# KiCad board FrontEnd_5G.kicad_pcb (continued)
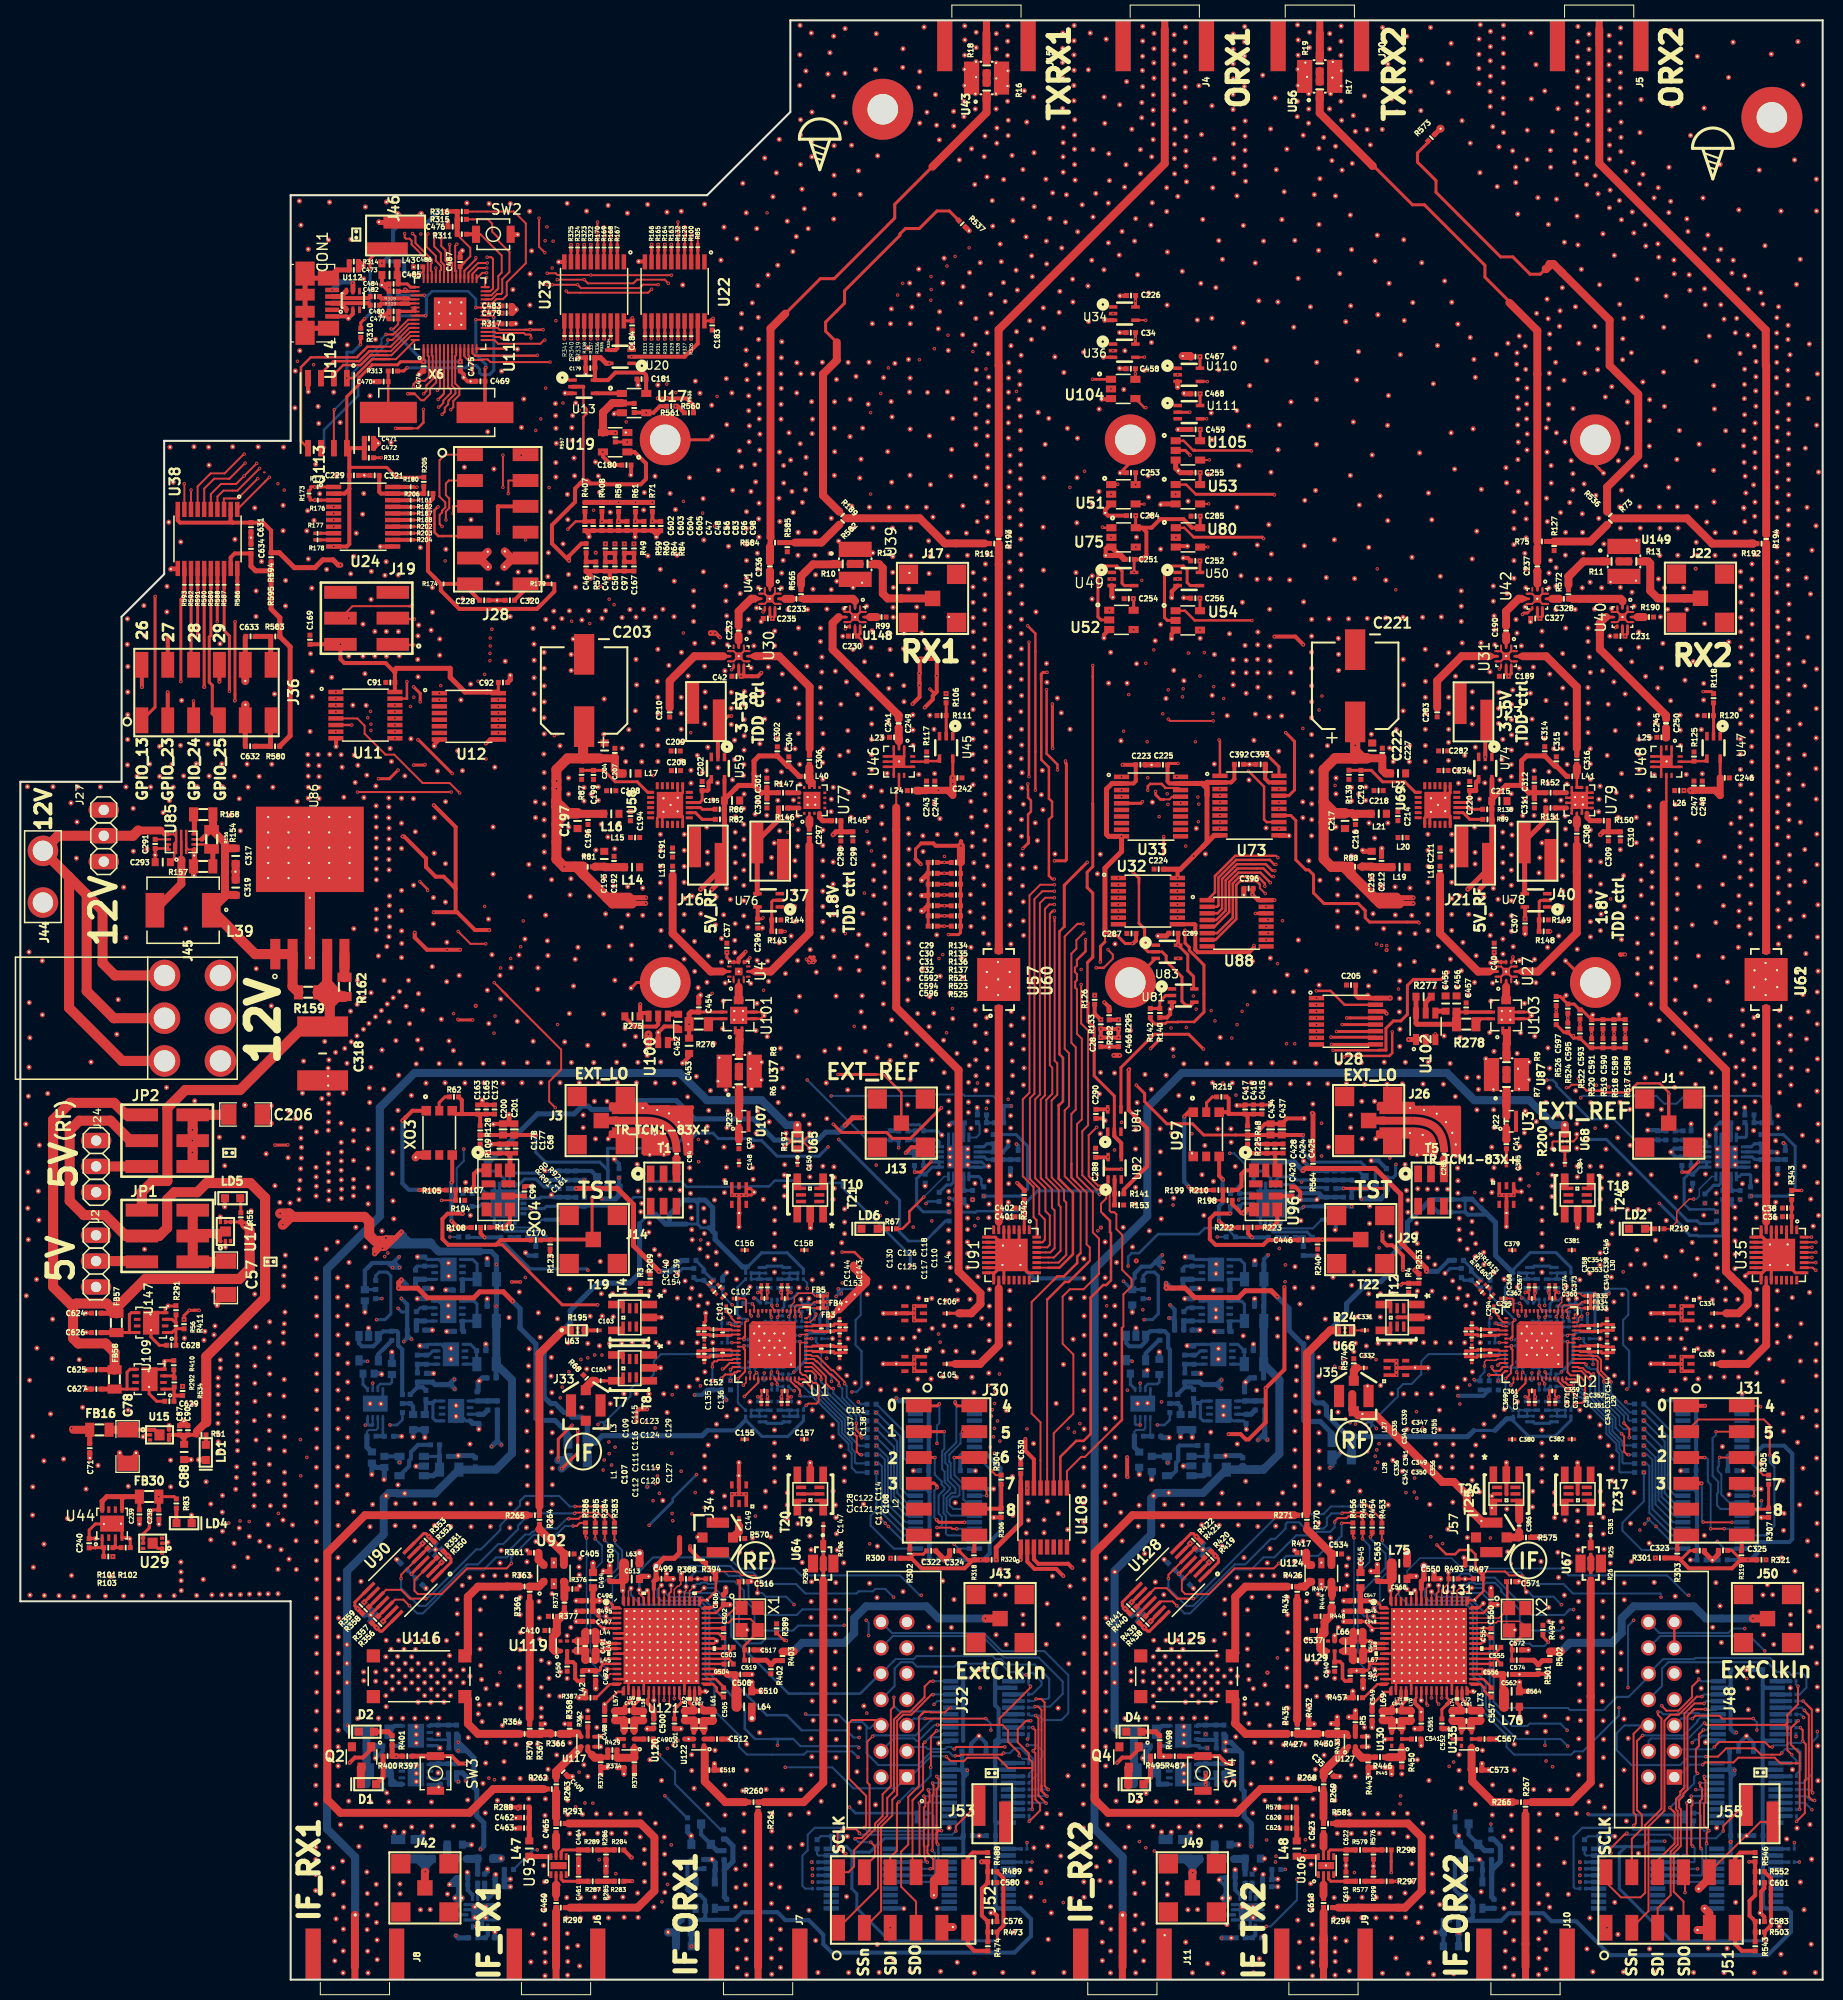
[diagram p0: board, top side]
## Nets (continued)
GND_VIA#1276. GND_VIA#1277. GND_VIA#1278. GND_VIA#1279. GND_VIA#1280. GND_VIA#1281. GND_VIA#1282. GND_VIA#1283. GND_VIA#1284. GND_VIA#1285. GND_VIA#1286. GND_VIA#1287. GND_VIA#1288. GND_VIA#1289. GND_VIA#1290. GND_VIA#1291. GND_VIA#1292. GND_VIA#1293. GND_VIA#1294. GND_VIA#1295. GND_VIA#1296. GND_VIA#1297. GND_VIA#1298. GND_VIA#1299. GND_VIA#1300. GND_VIA#1301. GND_VIA#1302. GND_VIA#1303. GND_VIA#1304. GND_VIA#1305. GND_VIA#1306. GND_VIA#1307. GND_VIA#1308. GND_VIA#1309. GND_VIA#1310. GND_VIA#1311. GND_VIA#1312. GND_VIA#1313. GND_VIA#1314. GND_VIA#1315. GND_VIA#1316. GND_VIA#1317. GND_VIA#1318. GND_VIA#1319. GND_VIA#1320. GND_VIA#1321. GND_VIA#1322. GND_VIA#1323. GND_VIA#1324. GND_VIA#1325. GND_VIA#1326. GND_VIA#1327. GND_VIA#1328. GND_VIA#1329. GND_VIA#1330. GND_VIA#1331. GND_VIA#1332. GND_VIA#1333. GND_VIA#1334. GND_VIA#1335. GND_VIA#1336. GND_VIA#1337. GND_VIA#1338. GND_VIA#1339. GND_VIA#1340. GND_VIA#1341. GND_VIA#1342. GND_VIA#1343. GND_VIA#1344. GND_VIA#1345. GND_VIA#1346. GND_VIA#1347. GND_VIA#1348. GND_VIA#1349. GND_VIA#1350. GND_VIA#1351. GND_VIA#1352. GND_VIA#1353. GND_VIA#1354. GND_VIA#1355. GND_VIA#1356. GND_VIA#1357. GND_VIA#1358. GND_VIA#1359. GND_VIA#1360. GND_VIA#1361. GND_VIA#1362. GND_VIA#1363. GND_VIA#1364. GND_VIA#1365. GND_VIA#1366. GND_VIA#1367. GND_VIA#1368. GND_VIA#1369. GND_VIA#1370. GND_VIA#1371. GND_VIA#1372. GND_VIA#1373. GND_VIA#1374. GND_VIA#1375. GND_VIA#1376. GND_VIA#1377. GND_VIA#1378. GND_VIA#1379. GND_VIA#1380. GND_VIA#1381. GND_VIA#1382. GND_VIA#1383. GND_VIA#1384. GND_VIA#1385. GND_VIA#1386. GND_VIA#1387. GND_VIA#1388. GND_VIA#1389. GND_VIA#1390. GND_VIA#1391. GND_VIA#1392. GND_VIA#1393. GND_VIA#1394. GND_VIA#1395. GND_VIA#1396. GND_VIA#1397. GND_VIA#1398. GND_VIA#1399. GND_VIA#1400. GND_VIA#1401. GND_VIA#1402. GND_VIA#1403. GND_VIA#1404. GND_VIA#1405. GND_VIA#1406. GND_VIA#1407. GND_VIA#1408. GND_VIA#1409. GND_VIA#1410. GND_VIA#1411. GND_VIA#1412. GND_VIA#1413. GND_VIA#1414. GND_VIA#1415. GND_VIA#1416. GND_VIA#1417. GND_VIA#1418. GND_VIA#1419. GND_VIA#1420. GND_VIA#1421. GND_VIA#1422. GND_VIA#1423. GND_VIA#1424. GND_VIA#1425. GND_VIA#1426. GND_VIA#1427. GND_VIA#1428. GND_VIA#1429. GND_VIA#1430. GND_VIA#1431. GND_VIA#1432. GND_VIA#1433. GND_VIA#1434. GND_VIA#1435. GND_VIA#1436. GND_VIA#1437. GND_VIA#1438. GND_VIA#1439. GND_VIA#1440. GND_VIA#1441. GND_VIA#1442. GND_VIA#1443. GND_VIA#1444. GND_VIA#1445. GND_VIA#1446. GND_VIA#1447. GND_VIA#1448. GND_VIA#1449. GND_VIA#1450. GND_VIA#1451. GND_VIA#1452. GND_VIA#1453. GND_VIA#1454. GND_VIA#1455. GND_VIA#1456. GND_VIA#1457. GND_VIA#1458. GND_VIA#1459. GND_VIA#1460. GND_VIA#1461. GND_VIA#1462. GND_VIA#1463. GND_VIA#1464. GND_VIA#1465. GND_VIA#1466. GND_VIA#1467. GND_VIA#1468. GND_VIA#1469. GND_VIA#1470. GND_VIA#1471. GND_VIA#1472. GND_VIA#1473. GND_VIA#1474. GND_VIA#1475. GND_VIA#1476. GND_VIA#1477. GND_VIA#1478. GND_VIA#1479. GND_VIA#1480. GND_VIA#1481. GND_VIA#1482. GND_VIA#1483. GND_VIA#1484. GND_VIA#1485. GND_VIA#1486. GND_VIA#1487. GND_VIA#1488. GND_VIA#1489. GND_VIA#1490. GND_VIA#1491. GND_VIA#1492. GND_VIA#1493. GND_VIA#1494. GND_VIA#1495. GND_VIA#1496. GND_VIA#1497. GND_VIA#1498. GND_VIA#1499. GND_VIA#1500. GND_VIA#1501. GND_VIA#1502. GND_VIA#1503. GND_VIA#1504. GND_VIA#1505. GND_VIA#1506. GND_VIA#1507. GND_VIA#1508. GND_VIA#1509. GND_VIA#1510. GND_VIA#1511. GND_VIA#1512. GND_VIA#1513. GND_VIA#1514. GND_VIA#1515. GND_VIA#1516. GND_VIA#1517. GND_VIA#1518. GND_VIA#1519. GND_VIA#1520. GND_VIA#1521. GND_VIA#1522. GND_VIA#1523. GND_VIA#1524. GND_VIA#1525. GND_VIA#1526. GND_VIA#1527. GND_VIA#1528. GND_VIA#1529. GND_VIA#1530. GND_VIA#1531. GND_VIA#1532. GND_VIA#1533. GND_VIA#1534. GND_VIA#1535. GND_VIA#1536. GND_VIA#1537. GND_VIA#1538. GND_VIA#1539. GND_VIA#1540. GND_VIA#1541. GND_VIA#1542. GND_VIA#1543. GND_VIA#1544. GND_VIA#1545. GND_VIA#1546. GND_VIA#1547. GND_VIA#1548. GND_VIA#1549. GND_VIA#1550. GND_VIA#1551. GND_VIA#1552. GND_VIA#1553. GND_VIA#1554. GND_VIA#1555. GND_VIA#1556. GND_VIA#1557. GND_VIA#1558. GND_VIA#1559. GND_VIA#1560. GND_VIA#1561. GND_VIA#1562. GND_VIA#1563. GND_VIA#1564. GND_VIA#1565. GND_VIA#1566. GND_VIA#1567. GND_VIA#1568. GND_VIA#1569. GND_VIA#1570. GND_VIA#1571. GND_VIA#1572. GND_VIA#1573. GND_VIA#1574. GND_VIA#1575. GND_VIA#1576. GND_VIA#1577. GND_VIA#1578. GND_VIA#1579. GND_VIA#1580. GND_VIA#1581. GND_VIA#1582. GND_VIA#1583. GND_VIA#1584. GND_VIA#1585. GND_VIA#1586. GND_VIA#1587. GND_VIA#1588. GND_VIA#1589. GND_VIA#1590. GND_VIA#1591. GND_VIA#1592. GND_VIA#1593. GND_VIA#1594. GND_VIA#1595. GND_VIA#1596. GND_VIA#1597. GND_VIA#1598. GND_VIA#1599. GND_VIA#1600. GND_VIA#1601. GND_VIA#1602. GND_VIA#1603. GND_VIA#1604. GND_VIA#1605. GND_VIA#1606. GND_VIA#1607. GND_VIA#1608. GND_VIA#1609. GND_VIA#1610. GND_VIA#1611. GND_VIA#1612. GND_VIA#1613. GND_VIA#1614. GND_VIA#1615. GND_VIA#1616. GND_VIA#1617. GND_VIA#1618. GND_VIA#1619. GND_VIA#1620. GND_VIA#1621. GND_VIA#1622. GND_VIA#1623. GND_VIA#1624. GND_VIA#1625. GND_VIA#1626. GND_VIA#1627. GND_VIA#1628. GND_VIA#1629. GND_VIA#1630. GND_VIA#1631. GND_VIA#1632. GND_VIA#1633. GND_VIA#1634. GND_VIA#1635. GND_VIA#1636. GND_VIA#1637. GND_VIA#1638. GND_VIA#1639. GND_VIA#1640. GND_VIA#1641. GND_VIA#1642. GND_VIA#1643. GND_VIA#1644. GND_VIA#1645. GND_VIA#1646. GND_VIA#1647. GND_VIA#1648. GND_VIA#1649. GND_VIA#1650. GND_VIA#1651. GND_VIA#1652. GND_VIA#1653. GND_VIA#1654. GND_VIA#1655. GND_VIA#1656. GND_VIA#1657. GND_VIA#1658. GND_VIA#1659. GND_VIA#1660. GND_VIA#1661. GND_VIA#1662. GND_VIA#1663. GND_VIA#1664. GND_VIA#1665. GND_VIA#1666. GND_VIA#1667. GND_VIA#1668. GND_VIA#1669. GND_VIA#1670. GND_VIA#1671. GND_VIA#1672. GND_VIA#1673. GND_VIA#1674. GND_VIA#1675. GND_VIA#1676. GND_VIA#1677. GND_VIA#1678. GND_VIA#1679. GND_VIA#1680. GND_VIA#1681. GND_VIA#1682. GND_VIA#1683. GND_VIA#1684. GND_VIA#1685. GND_VIA#1686. GND_VIA#1687. GND_VIA#1688. GND_VIA#1689. GND_VIA#1690. GND_VIA#1691. GND_VIA#1692. GND_VIA#1693. GND_VIA#1694. GND_VIA#1695. GND_VIA#1696. GND_VIA#1697. GND_VIA#1698. GND_VIA#1699. GND_VIA#1700. GND_VIA#1701. GND_VIA#1702. GND_VIA#1703. GND_VIA#1704. GND_VIA#1705. GND_VIA#1706. GND_VIA#1707. GND_VIA#1708. GND_VIA#1709. GND_VIA#1710. GND_VIA#1711. GND_VIA#1712. GND_VIA#1713. GND_VIA#1714. GND_VIA#1715. GND_VIA#1716. GND_VIA#1717. GND_VIA#1718. GND_VIA#1719. GND_VIA#1720. GND_VIA#1721. GND_VIA#1722. GND_VIA#1723. GND_VIA#1724. GND_VIA#1725. GND_VIA#1726. GND_VIA#1727. GND_VIA#1728. GND_VIA#1729. GND_VIA#1730. GND_VIA#1731. GND_VIA#1732. GND_VIA#1733. GND_VIA#1734. GND_VIA#1735. GND_VIA#1736. GND_VIA#1737. GND_VIA#1738. GND_VIA#1739. GND_VIA#1740. GND_VIA#1741. GND_VIA#1742. GND_VIA#1743. GND_VIA#1744. GND_VIA#1745. GND_VIA#1746. GND_VIA#1747. GND_VIA#1748. GND_VIA#1749. GND_VIA#1750. GND_VIA#1751. GND_VIA#1752. GND_VIA#1753. GND_VIA#1754. GND_VIA#1755. GND_VIA#1756. GND_VIA#1757. GND_VIA#1758. GND_VIA#1759. GND_VIA#1760. GND_VIA#1761. GND_VIA#1762. GND_VIA#1763. GND_VIA#1764. GND_VIA#1765. GND_VIA#1766. GND_VIA#1767. GND_VIA#1768. GND_VIA#1769. GND_VIA#1770. GND_VIA#1771. GND_VIA#1772. GND_VIA#1773. GND_VIA#1774. GND_VIA#1775. GND_VIA#1776. GND_VIA#1777. GND_VIA#1778. GND_VIA#1779. GND_VIA#1780. GND_VIA#1781. GND_VIA#1782. GND_VIA#1783. GND_VIA#1784. GND_VIA#1785. GND_VIA#1786. GND_VIA#1787. GND_VIA#1788. GND_VIA#1789. GND_VIA#1790. GND_VIA#1791. GND_VIA#1792. GND_VIA#1793. GND_VIA#1794. GND_VIA#1795. GND_VIA#1796. GND_VIA#1797. GND_VIA#1798. GND_VIA#1799. GND_VIA#1800. GND_VIA#1801. GND_VIA#1802. GND_VIA#1803. GND_VIA#1804. GND_VIA#1805. GND_VIA#1806. GND_VIA#1807. GND_VIA#1808. GND_VIA#1809. GND_VIA#1810. GND_VIA#1811. GND_VIA#1812. GND_VIA#1813. GND_VIA#1814. GND_VIA#1815. GND_VIA#1816. GND_VIA#1817. GND_VIA#1818. GND_VIA#1819. GND_VIA#1820. GND_VIA#1821. GND_VIA#1822. GND_VIA#1823. GND_VIA#1824. GND_VIA#1825. GND_VIA#1826. GND_VIA#1827. GND_VIA#1828. GND_VIA#1829. GND_VIA#1830. GND_VIA#1831. GND_VIA#1832. GND_VIA#1833. GND_VIA#1834. GND_VIA#1835. GND_VIA#1836. GND_VIA#1837. GND_VIA#1838. GND_VIA#1839. GND_VIA#1840. GND_VIA#1841. GND_VIA#1842. GND_VIA#1843. GND_VIA#1844. GND_VIA#1845. GND_VIA#1846. GND_VIA#1847. GND_VIA#1848. GND_VIA#1849. GND_VIA#1850. GND_VIA#1851. GND_VIA#1852. GND_VIA#1853. GND_VIA#1854. GND_VIA#1855. GND_VIA#1856. GND_VIA#1857. GND_VIA#1858. GND_VIA#1859. GND_VIA#1860. GND_VIA#1861. GND_VIA#1862. GND_VIA#1863. GND_VIA#1864. GND_VIA#1865. GND_VIA#1866. GND_VIA#1867. GND_VIA#1868. GND_VIA#1869. GND_VIA#1870. GND_VIA#1871. GND_VIA#1872. GND_VIA#1873. GND_VIA#1874. GND_VIA#1875. GND_VIA#1876. GND_VIA#1877. GND_VIA#1878. GND_VIA#1879. GND_VIA#1880. GND_VIA#1881. GND_VIA#1882. GND_VIA#1883. GND_VIA#1884. GND_VIA#1885. GND_VIA#1886. GND_VIA#1887. GND_VIA#1888. GND_VIA#1889. GND_VIA#1890. GND_VIA#1891. GND_VIA#1892. GND_VIA#1893. GND_VIA#1894. GND_VIA#1895. GND_VIA#1896. GND_VIA#1897. GND_VIA#1898. GND_VIA#1899. GND_VIA#1900. GND_VIA#1901. GND_VIA#1902. GND_VIA#1903. GND_VIA#1904. GND_VIA#1905. GND_VIA#1906. GND_VIA#1907. GND_VIA#1908. GND_VIA#1909. GND_VIA#1910. GND_VIA#1911. GND_VIA#1912. GND_VIA#1913. GND_VIA#1914. GND_VIA#1915. GND_VIA#1916. GND_VIA#1917. GND_VIA#1918. GND_VIA#1919. GND_VIA#1920. GND_VIA#1921. GND_VIA#1922. GND_VIA#1923. GND_VIA#1924. GND_VIA#1925. GND_VIA#1926. GND_VIA#1927. GND_VIA#1928. GND_VIA#1929. GND_VIA#1930. GND_VIA#1931. GND_VIA#1932. GND_VIA#1933. GND_VIA#1934. GND_VIA#1935. GND_VIA#1936. GND_VIA#1937. GND_VIA#1938. GND_VIA#1939. GND_VIA#1940. GND_VIA#1941. GND_VIA#1942. GND_VIA#1943. GND_VIA#1944. GND_VIA#1945. GND_VIA#1946. GND_VIA#1947. GND_VIA#1948. GND_VIA#1949. GND_VIA#1950. GND_VIA#1951. GND_VIA#1952. GND_VIA#1953. GND_VIA#1954. GND_VIA#1955. GND_VIA#1956. GND_VIA#1957. GND_VIA#1958. GND_VIA#1959. GND_VIA#1960. GND_VIA#1961. GND_VIA#1962. GND_VIA#1963. GND_VIA#1964. GND_VIA#1965. GND_VIA#1966. GND_VIA#1967. GND_VIA#1968. GND_VIA#1969. GND_VIA#1970. GND_VIA#1971. GND_VIA#1972. GND_VIA#1973. GND_VIA#1974. GND_VIA#1975. GND_VIA#1976. GND_VIA#1977. GND_VIA#1978. GND_VIA#1979. GND_VIA#1980. GND_VIA#1981. GND_VIA#1982. GND_VIA#1983. GND_VIA#1984. GND_VIA#1985. GND_VIA#1986. GND_VIA#1987. GND_VIA#1988. GND_VIA#1989. GND_VIA#1990. GND_VIA#1991. GND_VIA#1992. GND_VIA#1993. GND_VIA#1994. GND_VIA#1995. GND_VIA#1996. GND_VIA#1997. GND_VIA#1998. GND_VIA#1999. GND_VIA#2000. GND_VIA#2001. GND_VIA#2002. GND_VIA#2003. GND_VIA#2004. GND_VIA#2005. GND_VIA#2006. GND_VIA#2007. GND_VIA#2009. GND_VIA#2010. GND_VIA#2011. GND_VIA#2012. GND_VIA#2013. GND_VIA#2014. GND_VIA#2015. GND_VIA#2016. GND_VIA#2017. GND_VIA#2018. GND_VIA#2019. GND_VIA#2020. GND_VIA#2021. GND_VIA#2022. GND_VIA#2023. GND_VIA#2024. GND_VIA#2025. GND_VIA#2026. GND_VIA#2027. GND_VIA#2028. GND_VIA#2029. GND_VIA#2030. GND_VIA#2031. GND_VIA#2032. GND_VIA#2033. GND_VIA#2034. GND_VIA#2035. GND_VIA#2036. GND_VIA#2037. GND_VIA#2038. GND_VIA#2039. GND_VIA#2040. GND_VIA#2041. GND_VIA#2042. GND_VIA#2043. GND_VIA#2044. GND_VIA#2045. GND_VIA#2046. GND_VIA#2047. GND_VIA#2048. GND_VIA#2049. GND_VIA#2050. GND_VIA#2051. GND_VIA#2052. GND_VIA#2053. GND_VIA#2054. GND_VIA#2055. GND_VIA#2056. GND_VIA#2057. GND_VIA#2058. GND_VIA#2059. GND_VIA#2060. GND_VIA#2061. GND_VIA#2062. GND_VIA#2063. GND_VIA#2064. GND_VIA#2065. GND_VIA#2066. GND_VIA#2067. GND_VIA#2068. GND_VIA#2069. GND_VIA#2070. GND_VIA#2071. GND_VIA#2072. GND_VIA#2073. GND_VIA#2074. GND_VIA#2075. GND_VIA#2076. GND_VIA#2077. GND_VIA#2078. GND_VIA#2079. GND_VIA#2080. GND_VIA#2081. GND_VIA#2082. GND_VIA#2083. GND_VIA#2084. GND_VIA#2085. GND_VIA#2086. GND_VIA#2087. GND_VIA#2088. GND_VIA#2089. GND_VIA#2090. GND_VIA#2091. GND_VIA#2092. GND_VIA#2093. GND_VIA#2094. GND_VIA#2095. GND_VIA#2096. GND_VIA#2097. GND_VIA#2098. GND_VIA#2099. GND_VIA#2100. GND_VIA#2101. GND_VIA#2102. GND_VIA#2103. GND_VIA#2104. GND_VIA#2105. GND_VIA#2106. GND_VIA#2107. GND_VIA#2108. GND_VIA#2109. GND_VIA#2110. GND_VIA#2111. GND_VIA#2112. GND_VIA#2113. GND_VIA#2114. GND_VIA#2115. GND_VIA#2116. GND_VIA#2117. GND_VIA#2118. GND_VIA#2119. GND_VIA#2120. GND_VIA#2121. GND_VIA#2122. GND_VIA#2123. GND_VIA#2124. GND_VIA#2125. GND_VIA#2126. GND_VIA#2127. GND_VIA#2128. GND_VIA#2129. GND_VIA#2130. GND_VIA#2131. GND_VIA#2132. GND_VIA#2133. GND_VIA#2134. GND_VIA#2135. GND_VIA#2136. GND_VIA#2137. GND_VIA#2138. GND_VIA#2139. GND_VIA#2140. GND_VIA#2141. GND_VIA#2142. GND_VIA#2143. GND_VIA#2144. GND_VIA#2145. GND_VIA#2146. GND_VIA#2147. GND_VIA#2148. GND_VIA#2149. GND_VIA#2150. GND_VIA#2151. GND_VIA#2152. GND_VIA#2153. GND_VIA#2154. GND_VIA#2155. GND_VIA#2156. GND_VIA#2157. GND_VIA#2158. GND_VIA#2159. GND_VIA#2160. GND_VIA#2161. GND_VIA#2162. GND_VIA#2163. GND_VIA#2164. GND_VIA#2165. GND_VIA#2166. GND_VIA#2167. GND_VIA#2168. GND_VIA#2169. GND_VIA#2170. GND_VIA#2171. GND_VIA#2172. GND_VIA#2173. GND_VIA#2174. GND_VIA#2175. GND_VIA#2176. GND_VIA#2177. GND_VIA#2178. GND_VIA#2179. GND_VIA#2180. GND_VIA#2181. GND_VIA#2182. GND_VIA#2183. GND_VIA#2184. GND_VIA#2185. GND_VIA#2186. GND_VIA#2187. GND_VIA#2188. GND_VIA#2189. GND_VIA#2190. GND_VIA#2191. GND_VIA#2192. GND_VIA#2193. GND_VIA#2194. GND_VIA#2195. GND_VIA#2196. GND_VIA#2197. GND_VIA#2198. GND_VIA#2199. GND_VIA#2200. GND_VIA#2201. GND_VIA#2202. GND_VIA#2203. GND_VIA#2204. GND_VIA#2205. GND_VIA#2206. GND_VIA#2207. GND_VIA#2208. GND_VIA#2209. GND_VIA#2210. GND_VIA#2211. GND_VIA#2212. GND_VIA#2213. GND_VIA#2214. GND_VIA#2215. GND_VIA#2216. GND_VIA#2217. GND_VIA#2218. GND_VIA#2219. GND_VIA#2220. GND_VIA#2221. GND_VIA#2222. GND_VIA#2223. GND_VIA#2224. GND_VIA#2225. GND_VIA#2226. GND_VIA#2227. GND_VIA#2228. GND_VIA#2229. GND_VIA#2230. GND_VIA#2231. GND_VIA#2232. GND_VIA#2233. GND_VIA#2234. GND_VIA#2235. GND_VIA#2236. GND_VIA#2237. GND_VIA#2238. GND_VIA#2239. GND_VIA#2240. GND_VIA#2241. GND_VIA#2242. GND_VIA#2243. GND_VIA#2244. GND_VIA#2245. GND_VIA#2246. GND_VIA#2247. GND_VIA#2248. GND_VIA#2249. GND_VIA#2250. GND_VIA#2251. GND_VIA#2252. GND_VIA#2253. GND_VIA#2254. GND_VIA#2255. GND_VIA#2256. GND_VIA#2257. GND_VIA#2258. GND_VIA#2259. GND_VIA#2260. GND_VIA#2261. GND_VIA#2262. GND_VIA#2263. GND_VIA#2264. GND_VIA#2265. GND_VIA#2266. GND_VIA#2267. GND_VIA#2268. GND_VIA#2269. GND_VIA#2270. GND_VIA#2271. GND_VIA#2272. GND_VIA#2273. GND_VIA#2274. GND_VIA#2275. GND_VIA#2276. GND_VIA#2277. GND_VIA#2278. GND_VIA#2279. GND_VIA#2280. GND_VIA#2281. GND_VIA#2282. GND_VIA#2283. GND_VIA#2284. GND_VIA#2285. GND_VIA#2286. GND_VIA#2287. GND_VIA#2288. GND_VIA#2289. GND_VIA#2290. GND_VIA#2291. GND_VIA#2292. GND_VIA#2293. GND_VIA#2294. GND_VIA#2295. GND_VIA#2296. GND_VIA#2297. GND_VIA#2298. GND_VIA#2299. GND_VIA#2300. GND_VIA#2301. GND_VIA#2302. GND_VIA#2303. GND_VIA#2304. GND_VIA#2305. GND_VIA#2306. GND_VIA#2307. GND_VIA#2308. GND_VIA#2309. GND_VIA#2310. GND_VIA#2311. GND_VIA#2312. GND_VIA#2313. GND_VIA#2314. GND_VIA#2315. GND_VIA#2316. GND_VIA#2317. GND_VIA#2318. GND_VIA#2319. GND_VIA#2320. GND_VIA#2321. GND_VIA#2322. GND_VIA#2323. GND_VIA#2324. GND_VIA#2325. GND_VIA#2326. GND_VIA#2327. GND_VIA#2328. GND_VIA#2329. GND_VIA#2330. GND_VIA#2331. GND_VIA#2332. GND_VIA#2333. GND_VIA#2334. GND_VIA#2335. GND_VIA#2336. GND_VIA#2337. GND_VIA#2338. GND_VIA#2339. GND_VIA#2340. GND_VIA#2341. GND_VIA#2342. GND_VIA#2343. GND_VIA#2344. GND_VIA#2345. GND_VIA#2346. GND_VIA#2347. GND_VIA#2348. GND_VIA#2349. GND_VIA#2350. GND_VIA#2351. GND_VIA#2352. GND_VIA#2353. GND_VIA#2354. GND_VIA#2355. GND_VIA#2356. GND_VIA#2357. GND_VIA#2358. GND_VIA#2359. GND_VIA#2360. GND_VIA#2361. GND_VIA#2362. GND_VIA#2363. GND_VIA#2364. GND_VIA#2365. GND_VIA#2366. GND_VIA#2367. GND_VIA#2368. GND_VIA#2369. GND_VIA#2370. GND_VIA#2371. GND_VIA#2372. GND_VIA#2373. GND_VIA#2374. GND_VIA#2375. GND_VIA#2376. GND_VIA#2377. GND_VIA#2378. GND_VIA#2379. GND_VIA#2380. GND_VIA#2381. GND_VIA#2382. GND_VIA#2383. GND_VIA#2384. GND_VIA#2385. GND_VIA#2386. GND_VIA#2387. GND_VIA#2388. GND_VIA#2389. GND_VIA#2390. GND_VIA#2391. GND_VIA#2392. GND_VIA#2393. GND_VIA#2394. GND_VIA#2395. GND_VIA#2396. GND_VIA#2397. GND_VIA#2398. GND_VIA#2399. GND_VIA#2400. GND_VIA#2401. GND_VIA#2402. GND_VIA#2403. GND_VIA#2404. GND_VIA#2405. GND_VIA#2406. GND_VIA#2407. GND_VIA#2408. GND_VIA#2409. GND_VIA#2410. GND_VIA#2411. GND_VIA#2412. GND_VIA#2413. GND_VIA#2414. GND_VIA#2415. GND_VIA#2416. GND_VIA#2417. GND_VIA#2418. GND_VIA#2419. GND_VIA#2420. GND_VIA#2421. GND_VIA#2422. GND_VIA#2423. GND_VIA#2424. GND_VIA#2425. GND_VIA#2426. GND_VIA#2427. GND_VIA#2428. GND_VIA#2429. GND_VIA#2430. GND_VIA#2431. GND_VIA#2432. GND_VIA#2433. GND_VIA#2434. GND_VIA#2435. GND_VIA#2436. GND_VIA#2437. GND_VIA#2438. GND_VIA#2439. GND_VIA#2440. GND_VIA#2441. GND_VIA#2442. GND_VIA#2443. GND_VIA#2444. GND_VIA#2445. GND_VIA#2446. GND_VIA#2447. GND_VIA#2448. GND_VIA#2449. GND_VIA#2450. GND_VIA#2451. GND_VIA#2452. GND_VIA#2453. GND_VIA#2454. GND_VIA#2455. GND_VIA#2456. GND_VIA#2457. GND_VIA#2458. GND_VIA#2459. GND_VIA#2460. GND_VIA#2461. GND_VIA#2462. GND_VIA#2463. GND_VIA#2464. GND_VIA#2465. GND_VIA#2466. GND_VIA#2467. GND_VIA#2468. GND_VIA#2469. GND_VIA#2470. GND_VIA#2471. GND_VIA#2472. GND_VIA#2473. GND_VIA#2474. GND_VIA#2475. GND_VIA#2476. GND_VIA#2477. GND_VIA#2478. GND_VIA#2479. GND_VIA#2480. GND_VIA#2481. GND_VIA#2482. GND_VIA#2483. GND_VIA#2484. GND_VIA#2485. GND_VIA#2486. GND_VIA#2487. GND_VIA#2488. GND_VIA#2489. GND_VIA#2490. GND_VIA#2491. GND_VIA#2492. GND_VIA#2493. GND_VIA#2494. GND_VIA#2495. GND_VIA#2496. GND_VIA#2497. GND_VIA#2498. GND_VIA#2499. GND_VIA#2500. GND_VIA#2501. GND_VIA#2502. GND_VIA#2503. GND_VIA#2504. GND_VIA#2505. GND_VIA#2506. GND_VIA#2507. GND_VIA#2508. GND_VIA#2509. GND_VIA#2510. GND_VIA#2511. GND_VIA#2512. GND_VIA#2513. GND_VIA#2514. GND_VIA#2515. GND_VIA#2516. GND_VIA#2517. GND_VIA#2518. GND_VIA#2519. GND_VIA#2520. GND_VIA#2521. GND_VIA#2522. GND_VIA#2523. GND_VIA#2524. GND_VIA#2525. GND_VIA#2526. GND_VIA#2527. GND_VIA#2528. GND_VIA#2529. GND_VIA#2530. GND_VIA#2531. GND_VIA#2532. GND_VIA#2533. GND_VIA#2534. GND_VIA#2535. GND_VIA#2536. GND_VIA#2537. GND_VIA#2538. GND_VIA#2539. GND_VIA#2540. GND_VIA#2541. GND_VIA#2542. GND_VIA#2543. GND_VIA#2544. GND_VIA#2545. GND_VIA#2546. GND_VIA#2547. GND_VIA#2548. GND_VIA#2549. GND_VIA#2550. GND_VIA#2551. GND_VIA#2552. GND_VIA#2553. GND_VIA#2554. GND_VIA#2555. GND_VIA#2556. GND_VIA#2557. GND_VIA#2558. GND_VIA#2559. GND_VIA#2560. GND_VIA#2561. GND_VIA#2562. GND_VIA#2563. GND_VIA#2564. GND_VIA#2565. GND_VIA#2566. GND_VIA#2567. GND_VIA#2568. GND_VIA#2569. GND_VIA#2570. GND_VIA#2571. GND_VIA#2572. GND_VIA#2573. GND_VIA#2574. GND_VIA#2575. GND_VIA#2576. GND_VIA#2577. GND_VIA#2578. GND_VIA#2579. GND_VIA#2580. GND_VIA#2581. GND_VIA#2582. GND_VIA#2583. GND_VIA#2584. GND_VIA#2585. GND_VIA#2586. GND_VIA#2587. GND_VIA#2588. GND_VIA#2589. GND_VIA#2590. GND_VIA#2591. GND_VIA#2592. GND_VIA#2593. GND_VIA#2594. GND_VIA#2595. GND_VIA#2596. GND_VIA#2597. GND_VIA#2598. GND_VIA#2599. GND_VIA#2600. GND_VIA#2601. GND_VIA#2602. GND_VIA#2603. GND_VIA#2604. GND_VIA#2605. GND_VIA#2606. GND_VIA#2607. GND_VIA#2608. GND_VIA#2609. GND_VIA#2610. GND_VIA#2611. GND_VIA#2612. GND_VIA#2613. GND_VIA#2614. GND_VIA#2615. GND_VIA#2616. GND_VIA#2617. GND_VIA#2618. GND_VIA#2619. GND_VIA#2620. GND_VIA#2621. GND_VIA#2622. GND_VIA#2623. GND_VIA#2624. GND_VIA#2625. GND_VIA#2626. GND_VIA#2627. GND_VIA#2628. GND_VIA#2629. GND_VIA#2630. GND_VIA#2631. GND_VIA#2632. GND_VIA#2633. GND_VIA#2634. GND_VIA#2635. GND_VIA#2636. GND_VIA#2637. GND_VIA#2638. GND_VIA#2639. GND_VIA#2640. GND_VIA#2641. GND_VIA#2642. GND_VIA#2643. GND_VIA#2644. GND_VIA#2645. GND_VIA#2646. GND_VIA#2647. GND_VIA#2648. GND_VIA#2649. GND_VIA#2650. GND_VIA#2651. GND_VIA#2652. GND_VIA#2653. GND_VIA#2654. GND_VIA#2655. GND_VIA#2656. GND_VIA#2657. GND_VIA#2658. GND_VIA#2659. GND_VIA#2660. GND_VIA#2661. GND_VIA#2662. GND_VIA#2663. GND_VIA#2664. GND_VIA#2665. GND_VIA#2666. GND_VIA#2667. GND_VIA#2668. GND_VIA#2669. GND_VIA#2670. GND_VIA#2671. GND_VIA#2672. GND_VIA#2673. GND_VIA#2674. GND_VIA#2675. GND_VIA#2676. GND_VIA#2677. GND_VIA#2678. GND_VIA#2679. GND_VIA#2680. GND_VIA#2681. GND_VIA#2682. GND_VIA#2683. GND_VIA#2684. GND_VIA#2685. GND_VIA#2686. GND_VIA#2687. GND_VIA#2688. GND_VIA#2689. GND_VIA#2690. GND_VIA#2691. GND_VIA#2692. GND_VIA#2693. GND_VIA#2694. GND_VIA#2695. GND_VIA#2696. GND_VIA#2697. GND_VIA#2698. GND_VIA#2699. GND_VIA#2700. GND_VIA#2701. GND_VIA#2702. GND_VIA#2703. GND_VIA#2704. GND_VIA#2705. 